# Altium PCB Main_Ctr_PCB.PcbDoc
Units mm, origin at the board's own origin, x right, y up, seen from the top; angles counter-clockwise.
Board outline 65 x 55 mm, 2 copper layers (Top Layer, Bottom Layer); 101 components, 98 nets, 456 pads, 139 vias.
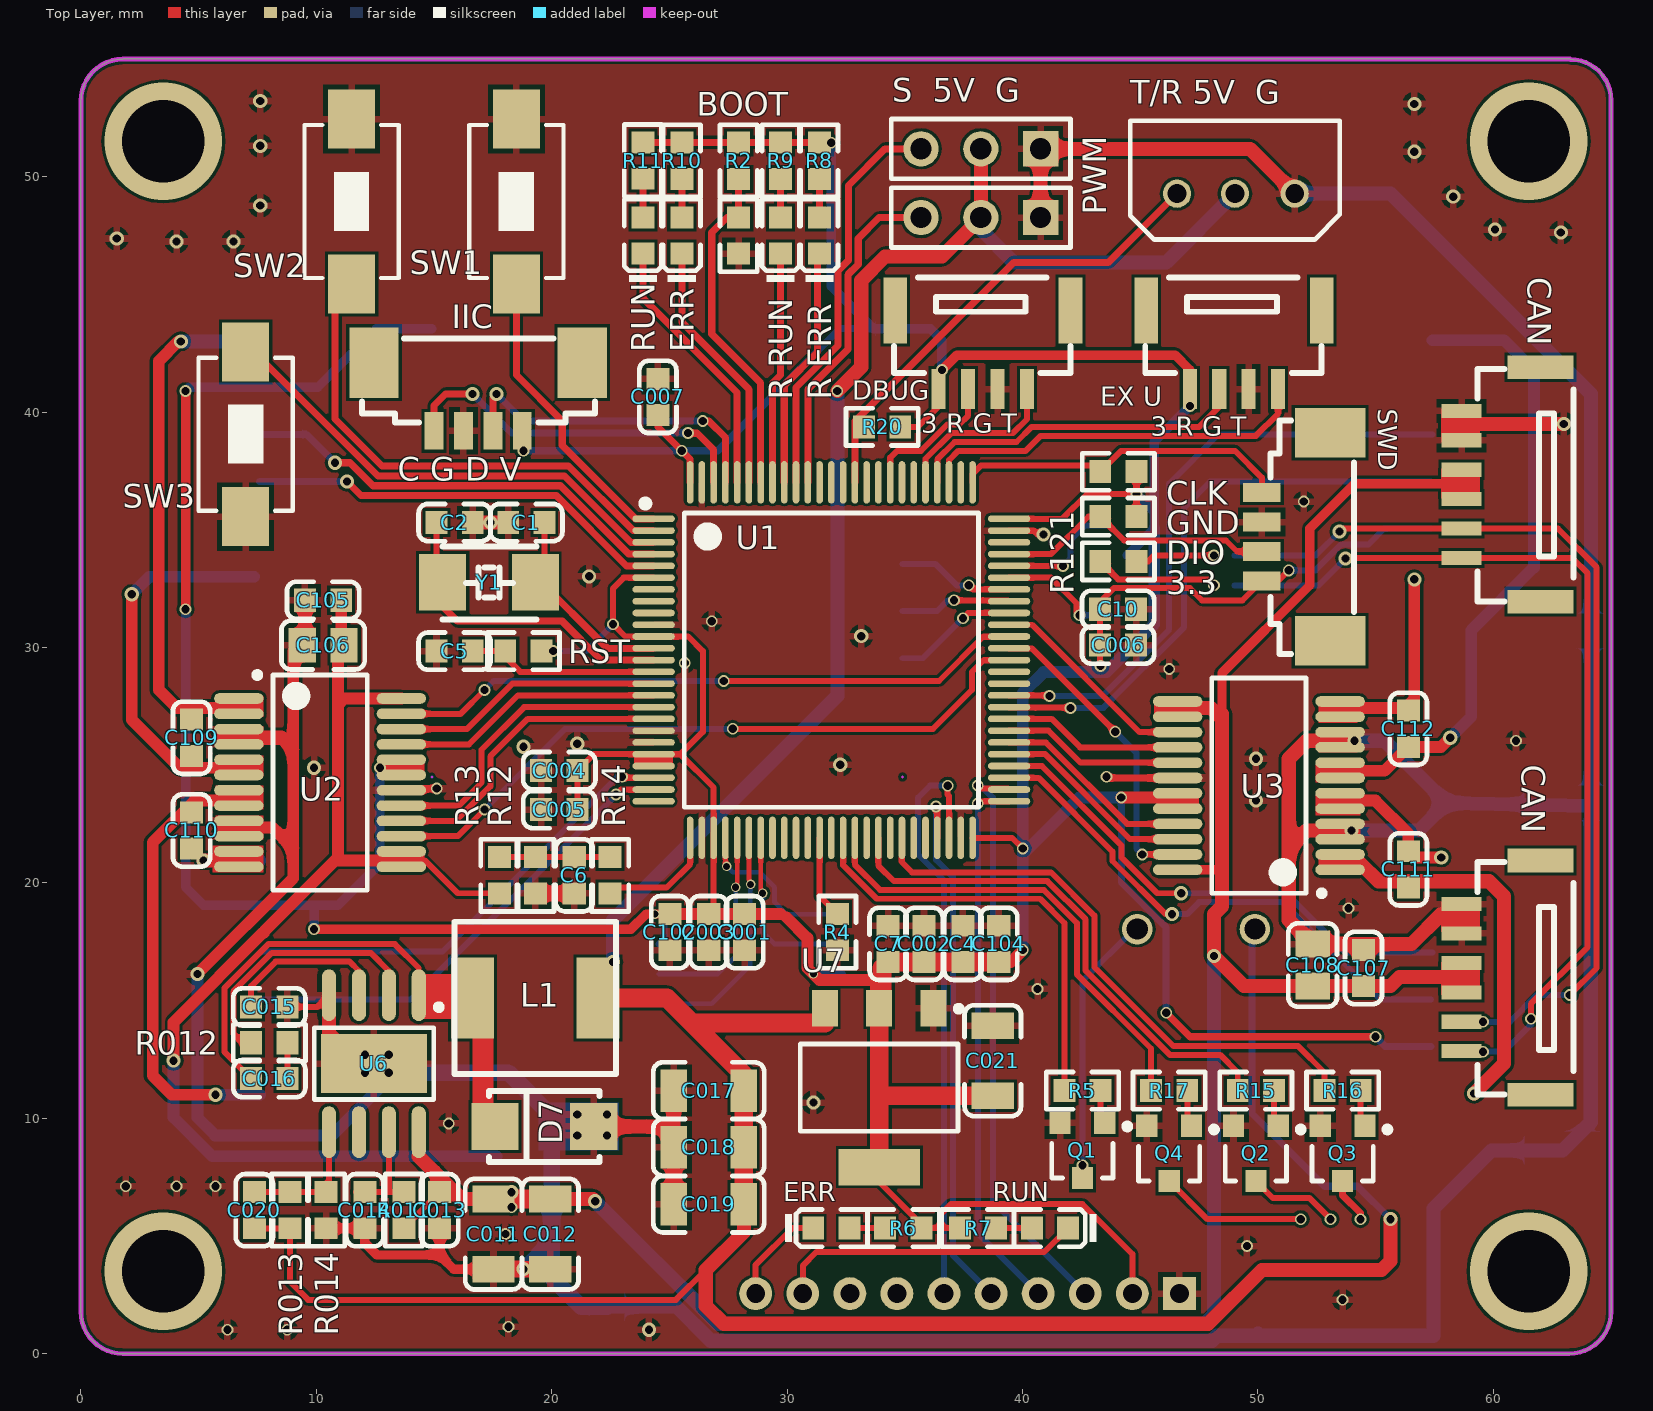
[diagram p0: Top Layer view]
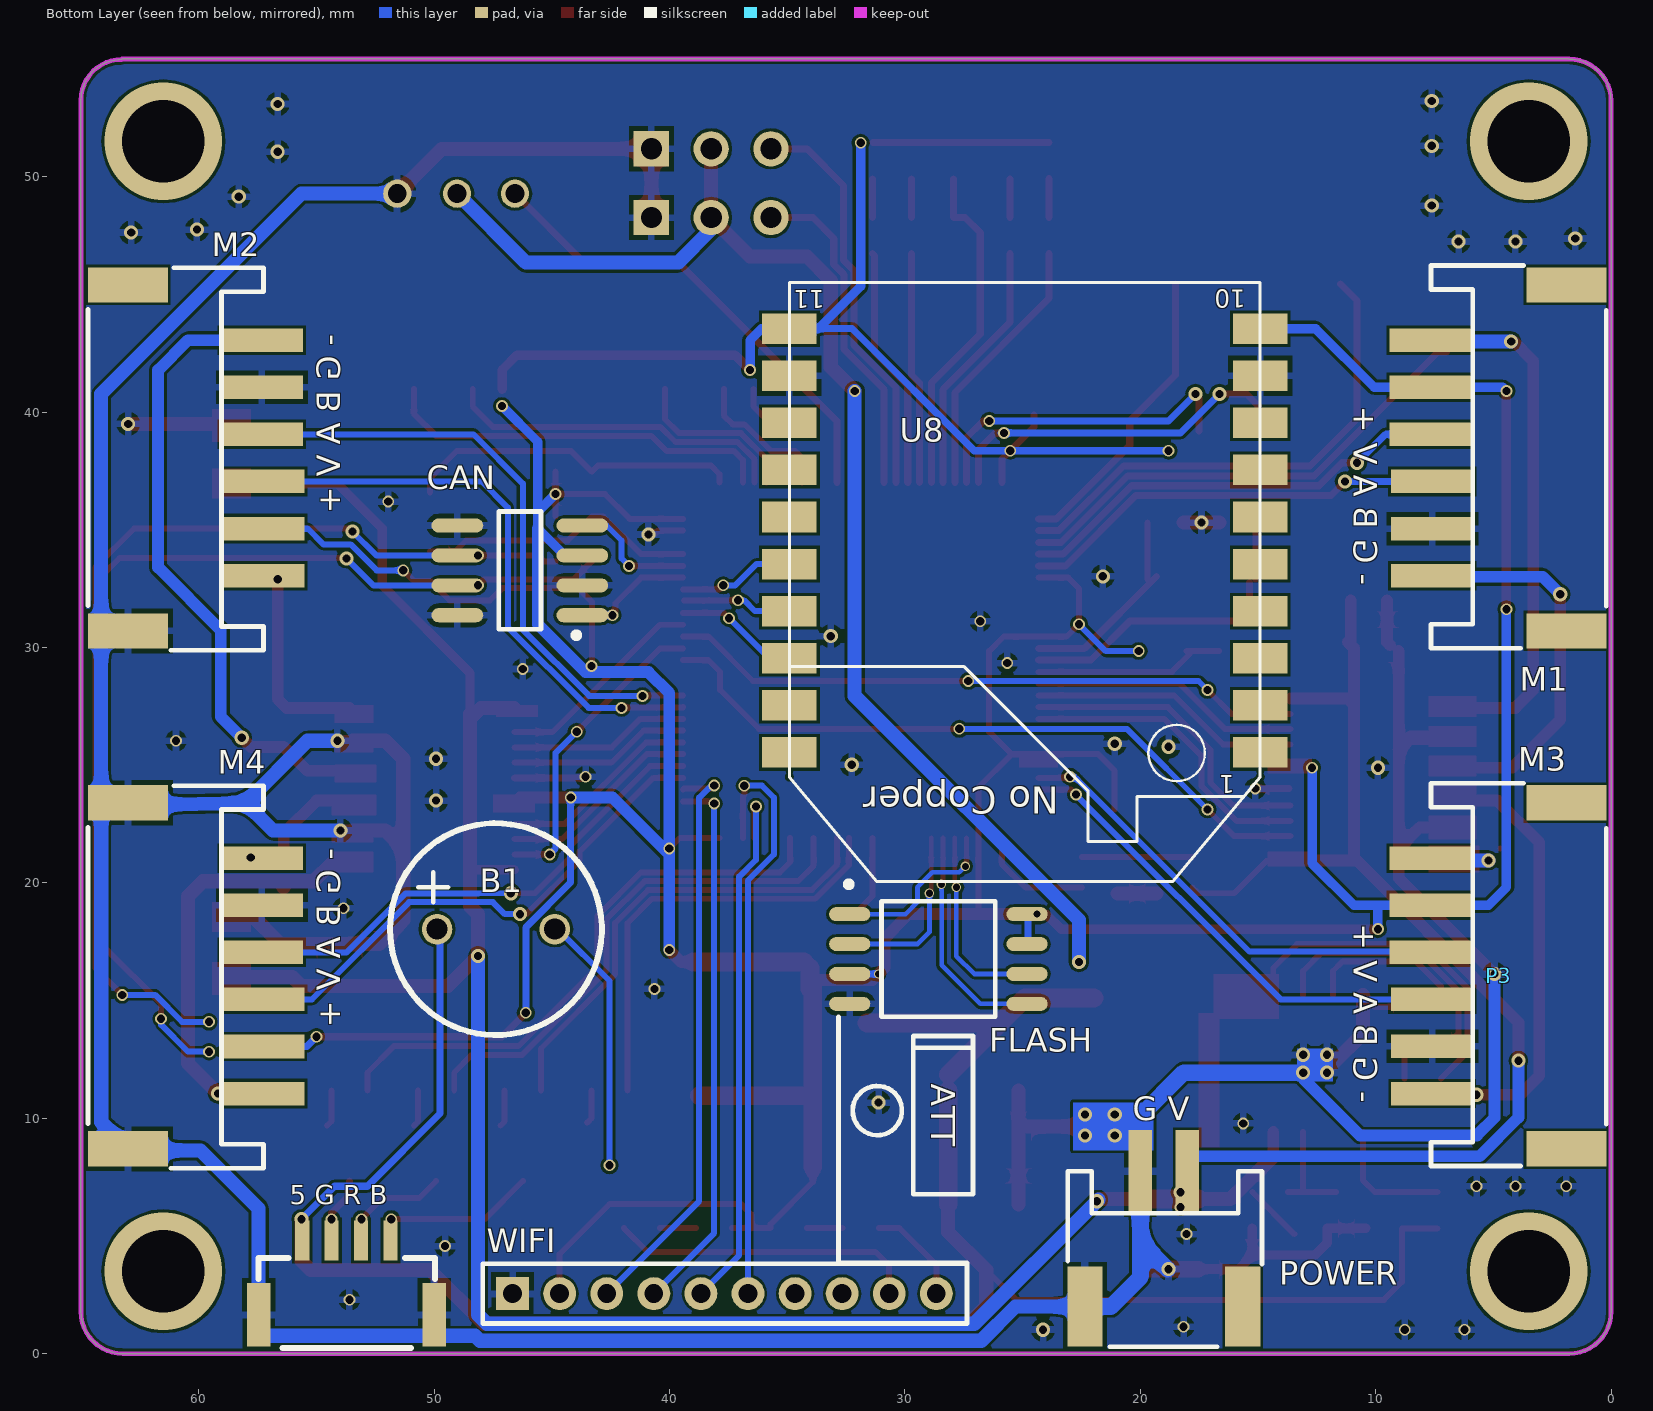
[diagram p1: Bottom Layer view, seen from below]
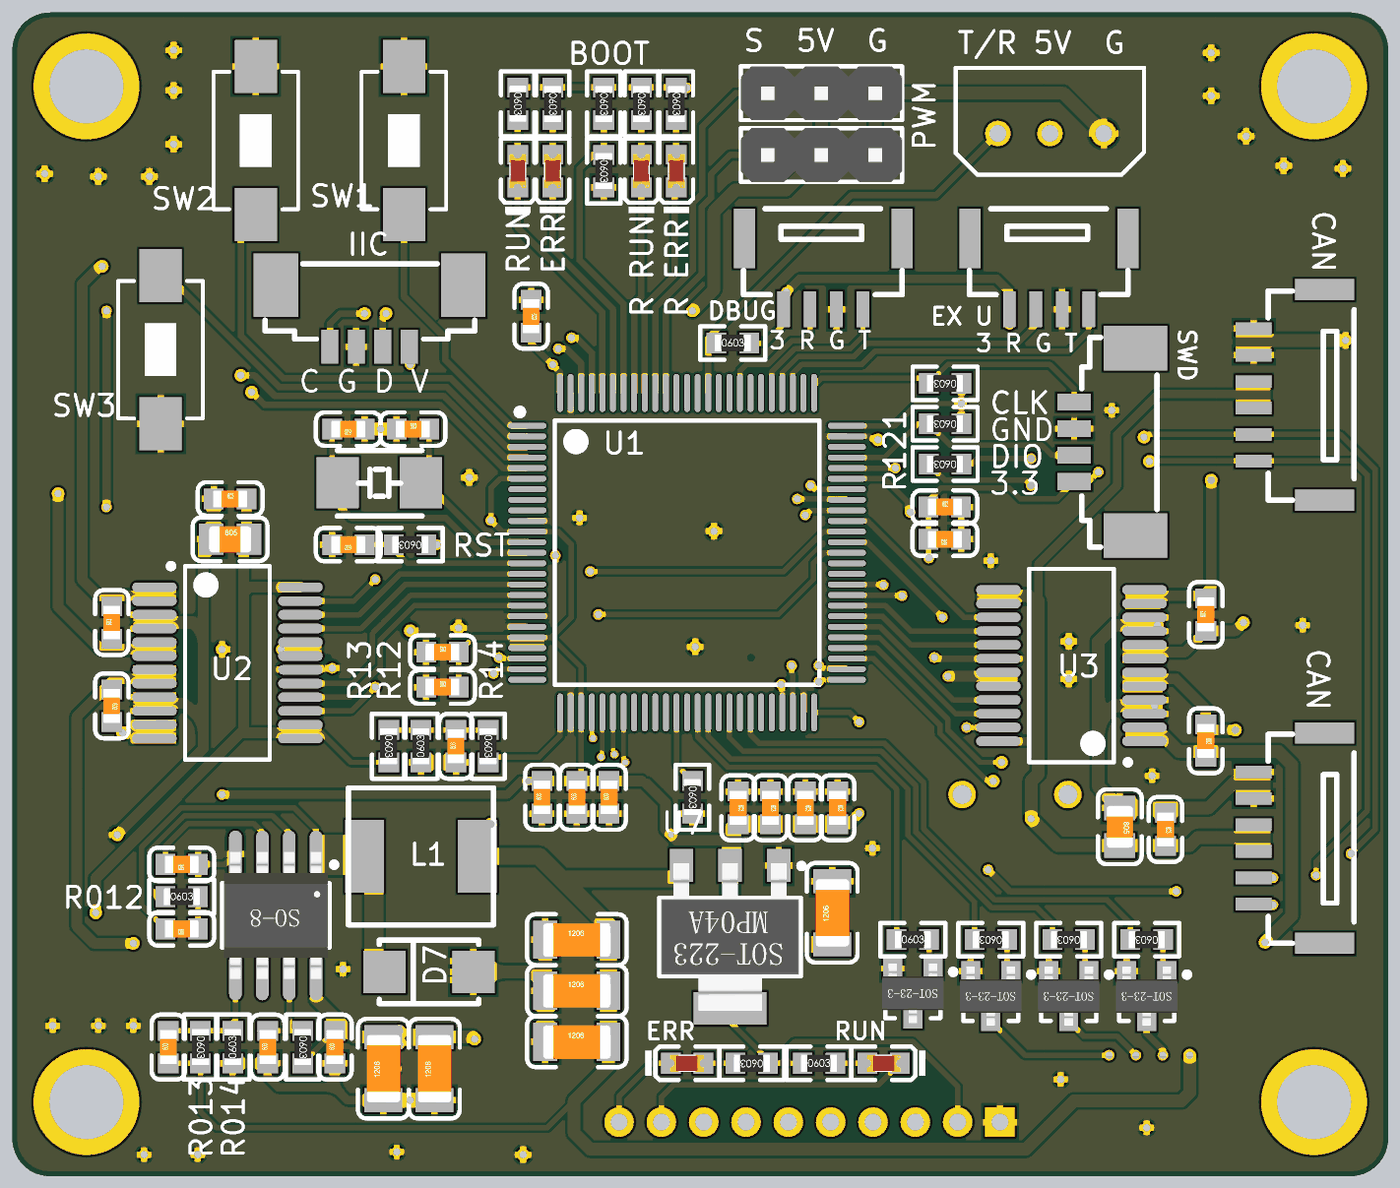
[diagram p2: 3D render of the assembled board from above, using the file's embedded part models]

## Layer stack, top to bottom
Top Solder: solder mask 0.0102, Solder Resist, Dk 3.5
Top Layer: signal copper 0.0356
Dielectric 1: dielectric 0.32, FR-4, Dk 4.8
Bottom Layer: signal copper 0.0356
Bottom Solder: solder mask 0.0102, Solder Resist, Dk 3.5

## Board outline
1.778,0 cw(c1.778,1.778) 0,1.778 0,53.213 cw(c1.778,53.213) 1.778,54.991 1.787,55 63.27,55 63.27,54.976 cw(c63.27,53.246) 65,53.246 65,1.778 cw(c63.222,1.778) 63.222,0

## Design rules (kind name [scope] priority, off if disabled: settings)
Clearance [All] p1: gap=0.12 ignorepadtopadclearanceinfootprint=FALSE except(0: Arc-Hole Track-Hole SMDPad-Hole THPad-Hole Via-Hole Fill-Hole Poly-Hole Region-Hole Text-Hole)
MinimumSolderMaskSliver [All] p1 off: minsoldermaskwidth=0.254
PolygonConnect [All] p1: connectstyle=Relief reliefconductorwidth=0.3 reliefentries=4 polygonreliefangle="90 Angle" airgapwidth=0.2
RoutingVias [All] p1: holewidth=0.35 width=0.6 viastyle="Through Hole" minholewidth=0.211 minwidth=5.27 maxholewidth=0.711 maxwidth=1.27
SilkToSolderMaskClearance [IsPad] p1 off: minsilkscreentomaskgap=0.254 clearancetoexposedcopper=TRUE
SolderMaskExpansion [All] p1: expansion=0.102
Width [All] p1: maxlimit=3.5 minlimit=0.12 preferedwidth=0.254
28 further rules are at their usual default settings.

## Components (designator, comment, footprint, x,y, rotation, side; value= is the part's Value field where it differs from the comment)
"5 G R B" "L_LED" SM04B-GHS-TB 50,1.651 r180 bottom (schematic designator P6)
B1 "BEEP" BEEP_0905 47.371,18.034 r180 bottom
BOOT "10KΩ (1002) ±1%" 0603_R 27.94,47.498 r270 top (schematic designator R1)
C001 "100nF (104) 10% 50V" 0603_C 28.194,17.907 r90 top
C1 "10pF (100) 5% 50V" 0603_C 18.923,35.306 r0 top
C002 "100nF (104) 10% 50V" 0603_C 35.814,17.407 r270 top
C2 "10pF (100) 5% 50V" 0603_C 15.875,35.306 r180 top
C003 "100nF (104) 10% 50V" 0603_C 26.67,17.907 r90 top
C004 "100nF (104) 10% 50V" 0603_C 20.32,24.765 r0 top
C4 "100nF (104) 10% 50V" 0603_C 37.465,17.407 r270 top
C005 "100nF (104) 10% 50V" 0603_C 20.32,23.114 r0 top
C5 "100nF (104) 10% 50V" 0603_C 15.875,29.845 r180 top
C006 "100nF (104) 10% 50V" 0603_C 44.056,30.099 r180 top
C6 "100nF (104) 10% 50V" 0603_C 20.955,20.32 r90 top
C007 "100nF (104) 10% 50V" 0603_C 24.511,40.64 r270 top
C7 "100nF (104) 10% 50V" 0603_C 34.29,17.407 r270 top
C10 "100nF (104) 10% 50V" 0603_C 44.056,31.623 r0 top
C011 "10uF (106) 10% 50V" 1206_C 17.526,5.08 r90 top
C012 "10uF (106) 10% 50V" 1206_C 19.939,5.08 r90 top
C013 "100nF (104) 10% 50V" 0603_C 15.24,6.096 r90 top
C014 "100nF (104) 10% 50V" 0603_C 12.065,6.096 r90 top
C015 "1uF (105) 10% 50V" 0603_C 8.001,14.732 r180 top
C016 "100nF (104) 10% 50V" 0603_C 8.001,11.684 r180 top
C017 "10uF (106) 10% 50V" 1206_C 26.67,11.176 r0 top
C018 "10uF (106) 10% 50V" 1206_C 26.67,8.763 r0 top
C019 "10uF (106) 10% 50V" 1206_C 26.67,6.35 r0 top
C020 "100pF (101) 5% 50V" 0603_C 7.366,6.096 r90 top
C021 "10uF (106) 10% 50V" 1206_C 38.735,12.446 r90 top
C102 "100nF (104) 10% 50V" 0603_C 25.019,17.907 r90 top
C104 "100nF (104) 10% 50V" 0603_C 38.989,17.407 r270 top
C105 "100nF (104) 10% 50V" 0603_C 10.287,32.004 r0 top
C106 "10uF (106) 10% 25V" 0805_C 10.287,30.099 r0 top
C107 "100nF (104) 10% 50V" 0603_C 54.483,16.383 r270 top
C108 "10uF (106) 10% 25V" 0805_C 52.324,16.51 r270 top
C109 "100nF (104) 10% 50V" 0603_C 4.699,26.162 r90 top
C110 "100nF (104) 10% 50V" 0603_C 4.699,22.225 r270 top
C111 "100nF (104) 10% 50V" 0603_C 56.388,20.574 r270 top
C112 "100nF (104) 10% 50V" 0603_C 56.388,26.543 r90 top
CAN "L_CAN_vP" BM06B-GHS-TBT 62,11 r90 top (schematic designator P9)
CAN "L_CAN_vP" BM06B-GHS-TBT 62,31.95 r90 top (schematic designator P10)
CAN "SN65HVD232" SOIC-8 46.355,33.274 r0 bottom (schematic designator U4)
CLK "10KΩ (1002) ±1%" 0603_R 44.069,37.465 r180 top (schematic designator R18)
D7 "SS54" SMA(DO-214AC)_S1 19.685,9.652 r0 top
DBUG "L_USART_Ex" BM04B-GHS-TBT 42.037,41.656 r180 top (schematic designator P14)
DIO "10KΩ (1002) ±1%" 0603_R 44.069,35.56 r180 top (schematic designator R19)
ERR "红灯 0603" 0603_LED_S1 31.877,5.334 r0 top (schematic designator D1)
ERR "红灯 0603" 0603_LED_S1 25.527,47.5 r90 top (schematic designator D5)
"EX U" "L_USART_Ex" BM04B-GHS-TBT 52.705,41.656 r180 top (schematic designator P15)
FLASH "W25Q64" SOIC_8_W 28.575,16.764 r180 bottom (schematic designator U5)
IIC "L_IIC" MOLEX-53398-0471 15,39.2 r0 top (schematic designator P8)
L1 "Inductor" 1810 16.637,15.113 r0 top
M1 "L_SeverMotor" PH2.0*6P 7.59,43.05 r270 bottom (schematic designator P1)
M2 "L_SeverMotor" PH2.0*6P 57.31,33.05 r90 bottom (schematic designator P2)
M4 "L_SeverMotor" PH2.0*6P 57.31,11.049 r90 bottom (schematic designator P4)
P3 "L_SeverMotor" PH2.0*6P 7.59,21.05 r270 bottom
POWER "L_POWER" HY2.0*2P 18,7.747 r0 bottom (schematic designator P5)
PWM "L_Sever" HDR3X1-2.54 40.767,48.26 r180 top (schematic designator P12)
Q1 "S8050" SOP23-3 42.545,8.636 r180 top
Q2 "S8050" SOP23-3 49.911,8.509 r180 top
Q3 "S8050" SOP23-3 53.594,8.509 r180 top
Q4 "S8050" SOP23-3 46.228,8.509 r180 top
R2 "0Ω (0R0) ±1%" 0603_R 27.94,50.673 r270 top
R4 "10KΩ (1002) ±1%" 0603_R 32.131,17.907 r270 top
R5 "1KΩ (1001) ±1%" 0603_R 42.545,11.176 r0 top
R6 "1KΩ (1001) ±1%" 0603_R 34.933,5.334 r180 top
R7 "1KΩ (1001) ±1%" 0603_R 38.108,5.334 r0 top
R8 "1KΩ (1001) ±1%" 0603_R 31.369,50.673 r270 top
R9 "1KΩ (1001) ±1%" 0603_R 29.718,50.673 r270 top
R10 "1KΩ (1001) ±1%" 0603_R 25.527,50.673 r270 top
R011 "100KΩ (1003) ±1%" 0603_R 13.716,6.096 r270 top
R11 "1KΩ (1001) ±1%" 0603_R 23.876,50.681 r270 top
R012 "10Ω (10R0) ±1%" 0603_R 8.001,13.208 r0 top
R12 "3.6KΩ (3601) ±1%" 0603_R 19.304,20.32 r90 top
R013 "40.2KΩ (4022) ±1%" 0603_R 8.89,6.096 r270 top
R13 "6.8KΩ (6801) ±1%" 0603_R 17.78,20.32 r270 top
R014 "7.5KΩ (7501) ±1%" 0603_R 10.414,6.096 r90 top
R14 "10KΩ (1002) ±1%" 0603_R 22.479,20.32 r270 top
R15 "1KΩ (1001) ±1%" 0603_R 49.911,11.176 r180 top
R16 "1KΩ (1001) ±1%" 0603_R 53.594,11.176 r180 top
R17 "1KΩ (1001) ±1%" 0603_R 46.228,11.176 r180 top
R20 "1KΩ (1001) ±1%" 0603_R 34.036,39.37 r0 top
R121 "120Ω (1200) ±1%" 0603_R 44.069,33.655 r180 top
"R ERR" "红灯 0603" 0603_LED_S1 31.369,47.5 r90 top (schematic designator D3)
"R RUN" "绿灯 0603" 0603_LED_S1 29.718,47.5 r90 top (schematic designator D4)
RST "10KΩ (1002) ±1%" 0603_R 18.796,29.845 r180 top (schematic designator R3)
RUN "绿灯 0603" 0603_LED_S1 41.164,5.334 r180 top (schematic designator D2)
RUN "绿灯 0603" 0603_LED_S1 23.876,47.5 r90 top (schematic designator D6)
"S  5V  G" "L_Sever" HDR3X1-2.54 40.767,51.181 r180 top (schematic designator P13)
SW1 "SW" SW-PB2-A1 18.5,49 r180 top
SW2 "SW" SW-PB2-A1 11.5,49 r180 top
SW3 "SW" SW-PB2-A1 7,39 r0 top
SWD "L_SWD" MOLEX-53398-0471 50.165,36.576 r270 top (schematic designator P7)
"T/R 5V  G" "L_UsartSever" MOLEX-5267-03A 49.022,49.276 r180 top (schematic designator P11)
U1 "STM32F103VET6" LQFP-100_14x14x05P 31.877,29.464 r270 top
U2 "TB6612FNG" SSOP-24 10.16,24.257 r0 top
U3 "TB6612FNG" SSOP-24 50.038,24.13 r180 top
U6 "MP2482" SOIC-8P 12.446,12.319 r270 top
U7 "LM1117-3.3" SOT223 33.909,11.303 r180 top
U8 "DQ_115X" LW_1151 24.327,34.964 r0 bottom
WIFI "USR-C215" USR-C215 26.543,14.478 r270 bottom (schematic designator U9)
Y1 "XTAL" 5032 17.272,32.766 r0 top

## Footprints (in the part's own frame and the unit in brackets; to place one, negate y for a bottom-side part, rotate by r counter-clockwise, add the part's x,y. Pads: shape width x height; smd on the part's side, far side on the other; paste and mask are expansions set on the pad)
0603_C [mm]
  rect 0.93x0.98 smd: 1(-0.77,0) 2(0.77,0)
  silkscreen extent -1.53,-0.79 1.54,0.79, body extent -0.8,-0.4 0.8,0.4, height 0.3
0603_LED_S1 [mm]
  rect 0.93x0.98 smd: A(0.77,0) K(-0.77,0)
  silkscreen extent -1.98,-0.79 1.54,0.79, body extent -0.8,-0.4 0.8,0.4, height 0.6
0603_R [mm]
  rect 0.93x0.98 smd: 1(-0.77,0) 2(0.77,0)
  silkscreen extent -1.53,-0.79 1.54,0.79, body extent -0.85,-0.4 0.85,0.4, height 0.56
0805_C [mm]
  rect 1.16x1.47 smd: 1(-0.89,0) 2(0.89,0)
  silkscreen extent -1.77,-1.04 1.77,1.04, body extent -1,-0.62 1,0.63, height 0.77
1206_C [mm]
  rect 1.13x1.8 smd: 1(-1.49,0) 2(1.49,0)
  silkscreen extent -2.36,-1.2 2.35,1.2, body extent -1.6,-0.81 1.6,0.79, height 1
1810 [mm] "贴片电感"
  rect 1.83x3.43 smd: 1(0,0) 2(5.334,0)
  silkscreen extent -0.76,-3.23 6.1,3.23, body extent -0.76,-3.3 6.1,3.17, height 3
5032 [mm] "无源晶振"
  rect 2x2.4 smd: 1(-1.905,0) 2(2.032,0)
  silkscreen extent -1.92,-1.57 2.08,1.53, body extent -2.41,-1.52 2.54,1.52, height 1.3
BEEP_0905 [mm] "有源蜂鸣器"
  round 1.3 hole 0.9: 1(-2.5,0) 2(2.5,0)
  silkscreen extent -4.5,-4.5 4.5,4.5, body extent -4.5,-4.5 4.5,4.5, height 5.5
BM04B-GHS-TBT [mm]
  rect 1x2.8 smd: 0(0,-2.664) 0(7.45,-2.664)
  rect 0.6x1.7 smd: 1(1.85,0.686) 2(3.1,0.686) 3(4.35,0.686) 4(5.6,0.686)
  silkscreen extent 0,-4.06 7.49,0, body extent 0,-4.06 7.49,0, height 4.05
BM06B-GHS-TBT [mm]
  rect 1x2.8 smd: 0(0,0.003) 0(9.95,0.003)
  rect 0.6x1.7 smd: 1(1.85,3.353) 2(3.1,3.353) 3(4.35,3.353) 4(5.6,3.353) 5(6.85,3.353) 6(8.1,3.353)
  silkscreen extent 0,-1.4 9.89,2.67, body extent 0,-1.4 9.91,2.67, height 4.05
HDR3X1-2.54 [mm] "2.54单排针排座"
  rect 1.5x1.5 hole 0.9: 1(0,0)
  round 1.5 hole 0.9: 2(2.54,0) 3(5.08,0)
  silkscreen extent -1.27,-1.27 6.35,1.27, body extent -1.27,-1.27 6.35,1.27, height 8.54
HY2.0*2P [mm]
  rect 1.5x3.4 smd: 0(-2.35,5.75) 0(4.35,5.75)
  rect 1x3.5 smd: 1(0,0) 2(2,0)
  silkscreen extent -3.17,0 5.08,7.45, body extent -3.17,-1.65 5.08,7.49, height 6.5
LQFP-100_14x14x05P [mm]
  oval 0.28x1.8 smd mask+0.051: 1(-6,-7.55) 2(-5.5,-7.55) 3(-5,-7.55) 4(-4.5,-7.55) 5(-4,-7.55) 6(-3.5,-7.55) 7(-3,-7.55) 8(-2.5,-7.55) 9(-2,-7.55) 10(-1.5,-7.55) 11(-1,-7.55) 12(-0.5,-7.55) 13(0,-7.55) 14(0.5,-7.55) 15(1,-7.55) 16(1.5,-7.55) 17(2,-7.55) 18(2.5,-7.55) 19(3,-7.55) 20(3.5,-7.55) 21(4,-7.55) 22(4.5,-7.55) 23(5,-7.55) 24(5.5,-7.55) 25(6,-7.55) 51(6,7.55) 52(5.5,7.55) 53(5,7.55) 54(4.5,7.55) 55(4,7.55) 56(3.5,7.55) 57(3,7.55) 58(2.5,7.55) 59(2,7.55) 60(1.5,7.55) 61(1,7.55) 62(0.5,7.55) 63(0,7.55) 64(-0.5,7.55) 65(-1,7.55) 66(-1.5,7.55) 67(-2,7.55) 68(-2.5,7.55) 69(-3,7.55) 70(-3.5,7.55) 71(-4,7.55) 72(-4.5,7.55) 73(-5,7.55) 74(-5.5,7.55) 75(-6,7.55)
  oval 1.8x0.28 smd mask+0.051: 26(7.55,-6) 27(7.55,-5.5) 28(7.55,-5) 29(7.55,-4.5) 30(7.55,-4) 31(7.55,-3.5) 32(7.55,-3) 33(7.55,-2.5) 34(7.55,-2) 35(7.55,-1.5) 36(7.55,-1) 37(7.55,-0.5) 38(7.55,0) 39(7.55,0.5) 40(7.55,1) 41(7.55,1.5) 42(7.55,2) 43(7.55,2.5) 44(7.55,3) 45(7.55,3.5) 46(7.55,4) 47(7.55,4.5) 48(7.55,5) 49(7.55,5.5) 50(7.55,6) 76(-7.55,6) 77(-7.55,5.5) 78(-7.55,5) 79(-7.55,4.5) 80(-7.55,4) 81(-7.55,3.5) 82(-7.55,3) 83(-7.55,2.5) 84(-7.55,2) 85(-7.55,1.5) 86(-7.55,1) 87(-7.55,0.5) 88(-7.55,0) 89(-7.55,-0.5) 90(-7.55,-1) 91(-7.55,-1.5) 92(-7.55,-2) 93(-7.55,-2.5) 94(-7.55,-3) 95(-7.55,-3.5) 96(-7.55,-4) 97(-7.55,-4.5) 98(-7.55,-5) 99(-7.55,-5.5) 100(-7.55,-6)
  silkscreen extent -6.8,-8.05 6.25,6.25
LW_1151 [mm] "zigbee_usart"
  rect 2.316x1.3 smd: 1(-9.423,9.423) 2(-9.423,7.423) 3(-9.423,5.423) 4(-9.423,3.423) 5(-9.423,1.423) 6(-9.423,-0.577) 7(-9.423,-2.577) 8(-9.423,-4.577) 9(-9.423,-6.577) 10(-9.423,-8.577) 11(10.577,-8.577) 12(10.577,-6.577) 13(10.577,-4.577) 14(10.577,-2.577) 15(10.577,-0.577) 16(10.577,1.423) 17(10.577,3.423) 18(10.577,5.423) 19(10.577,7.423) 20(10.577,9.423)
  Keep-Out Layer lines w0.127: -9.423,10.465 -9.423,10.459 ; 10.577,10.465 10.577,10.459
  silkscreen extent -9.42,-10.54 10.58,14.91, body extent -9.42,-10.54 10.58,14.86, height 2.5
MOLEX-5267-03A [mm]
  round 1.2 hole 0.8: 1(-2.54,0) 2(0,0) 3(2.46,0)
  silkscreen extent -4.45,-3.1 4.45,1.95, body extent -4.44,-3.18 4.45,1.91, height 5.9
MOLEX-53398-0471 [mm]
  rect 2.1x3 smd: 0(-2.55,2.9) 0(6.3,2.9)
  rect 0.8x1.6 smd: 1(0,0) 2(1.25,0) 3(2.5,0) 4(3.75,0)
  silkscreen extent -3.06,0.36 6.85,3.92, body extent -3.05,-0.51 6.86,3.94, height 4.78
PH2.0*6P [mm]
  rect 1.5x3.4 smd: 0(-2.35,5.687) 0(12.35,5.687)
  rect 1x3.5 smd: 1(0,-0.063) 2(2,-0.063) 3(4,-0.063) 4(6,0) 5(8,0) 6(10,0)
  silkscreen extent -3.17,-0.06 13.08,7.39, body extent -3.17,-1.78 13.08,7.43, height 5.5
SM04B-GHS-TB [mm]
  rect 1x2.7 smd: 0(-7.45,0) 0(0,0)
  rect 0.6x1.7 smd: 1(-5.6,3.15) 2(-4.35,3.15) 3(-3.1,3.15) 4(-1.85,3.15)
  silkscreen extent -7.45,-1.4 0.04,2.41, body extent -7.45,-1.4 0.04,2.41, height 4.35
SMA(DO-214AC)_S1 [mm]
  rect 2x2 smd: 1(2.1,0) 2(-2.1,0)
  silkscreen extent -2.35,-1.5 2.35,1.5
SOIC-8 [mm]
  oval 2.2x0.6 smd: 1(-2.654,1.905) 2(-2.654,0.635) 3(-2.654,-0.635) 4(-2.654,-1.905) 5(2.654,-1.905) 6(2.654,-0.635) 7(2.654,0.635) 8(2.654,1.905)
  silkscreen extent -2.52,-2.5 0.9,2.88, body extent -3,-2.45 3,2.45, height 1.7
SOIC-8P [mm]
  rect 2.5x4.5 smd: 0(0,0)
  oval 2.2x0.6 smd: 1(-2.908,1.905) 2(-2.908,0.635) 3(-2.908,-0.635) 4(-2.908,-1.905) 5(2.908,-1.905) 6(2.908,-0.635) 7(2.908,0.635) 8(2.908,1.905)
  silkscreen extent -2.52,-2.54 1.52,2.88, body extent -3,-2.45 3,2.45, height 1.7
SOIC_8_W [mm] "W25QXX FLASH"
  oval 1.75x0.6 smd: 1(-3.768,1.905) 2(-3.768,0.635) 3(-3.768,-0.635) 4(-3.768,-1.905) 5(3.768,-1.905) 6(3.768,-0.635) 7(3.768,0.635) 8(3.768,1.905)
  silkscreen extent -3.93,-2.45 2.41,3.3, body extent -2.41,-2.41 2.41,2.41, height 1.95
SOP23-3 [mm]
  rect 0.9x0.95 smd: 1(-0.95,-1.175) 2(0.95,-1.175) 3(0,1.175)
  silkscreen extent -2.03,-1.14 1.3,1.18, body extent -1.45,-1.4 1.45,1.4, height 1.2
SOT223 [mm]
  rect 1.1x1.55 smd: 1(-2.3,-3.375) 2(0,-3.375) 3(2.3,-3.375)
  rect 3.45x1.55 smd: 4(0,3.375)
  silkscreen extent -3.5,-3.48 3.35,1.85, body extent -3.25,-3.48 3.25,3.48, height 1.7
SSOP-24 [mm]
  oval 2.1x0.45 smd: 1(-3.45,3.575) 2(-3.45,2.925) 3(-3.45,2.275) 4(-3.45,1.625) 5(-3.45,0.975) 6(-3.45,0.325) 7(-3.45,-0.325) 8(-3.45,-0.975) 9(-3.45,-1.625) 10(-3.45,-2.275) 11(-3.45,-2.925) 12(-3.45,-3.575) 13(3.45,-3.575) 14(3.45,-2.925) 15(3.45,-2.275) 16(3.45,-1.625) 17(3.45,-0.975) 18(3.45,-0.325) 19(3.45,0.325) 20(3.45,0.975) 21(3.45,1.625) 22(3.45,2.275) 23(3.45,2.925) 24(3.45,3.575)
  silkscreen extent -2.79,-4.57 2,4.7, body extent -2.8,-4.57 2.8,4.57, height 2
SW-PB2-A1 [mm]
  rect 2x2.5 smd: 1(0,3.556) 2(0,-3.444)
  silkscreen extent -2,-3.19 2,3.31, body extent -1.93,-3.94 1.92,3.95, height 2.5
USR-C215 [mil] "WIFI"
  rect 55x55 hole 31.5: 1(469.5,-792.14)
  round 55 hole 31.5: 2(469.5,-713.4) 3(469.5,-634.66) 4(469.5,-555.92) 5(469.5,-477.18) 6(469.5,-398.44) 7(469.5,-319.7) 8(469.5,-240.96) 9(469.5,-162.22) 10(469.5,-83.48)